# KiCad board cm0.kicad_pcb (continued)
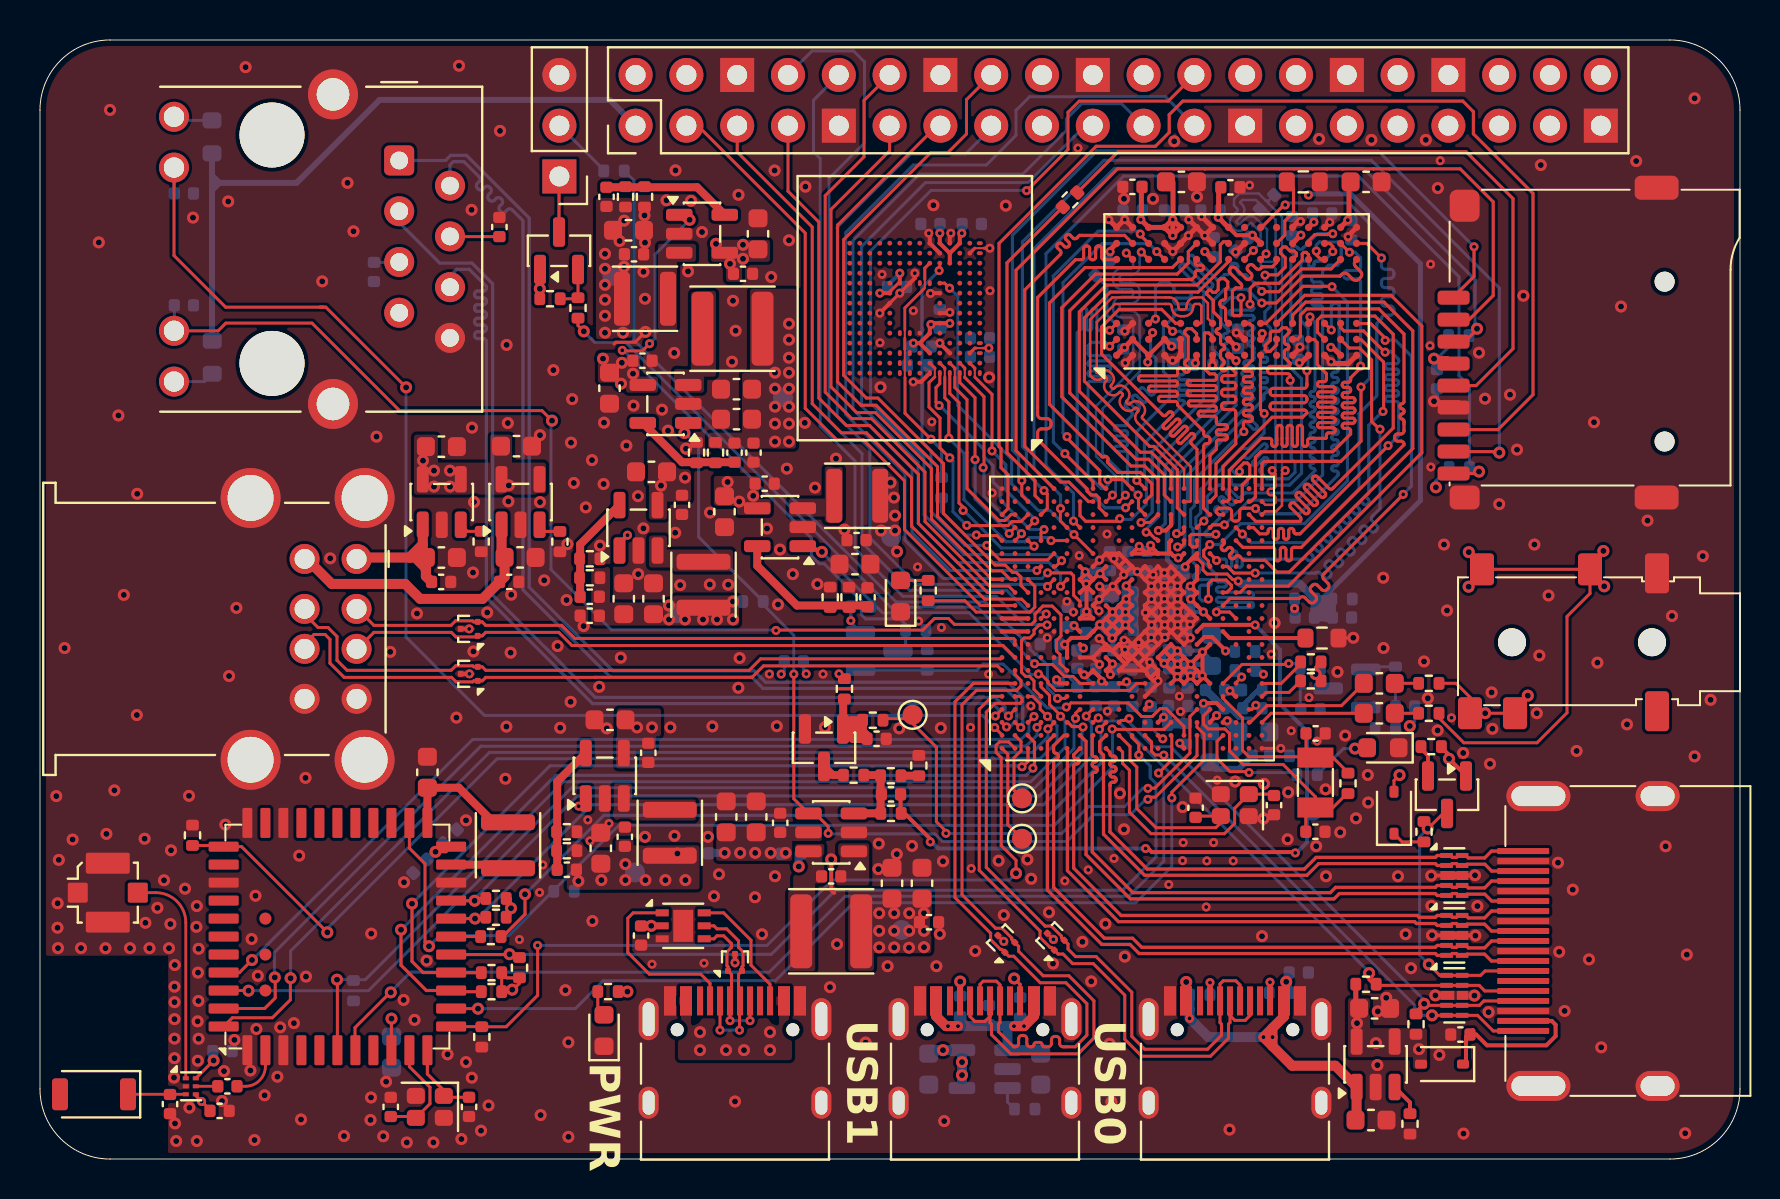
[diagram p0: board, top side]
## Routing (per net, layer and track width the routed paths; a pad name or vN(x,y) marks a point on that pad's centre or on a via; arc(x,y) is an arc through that point) (continued)
/H3/EPHY_SPD_LED: length 60.8
  Top w0.15: J8.11 8.91,41.44 9.29,41.83 13.6,41.83 17.98,37.45 25.1,37.45 v2(25.6,36.95) ; U1.F7 51,24.8 51,25.25 50.83,25.42 50.83,25.95 51.05,26.17 51.05,27.23 50.61,27.67 50.15,27.67 49.99,27.52 49.99,27.51 49.75,27.27 49.75,26.92 49.75,26.92 49.58,26.75 45.72,26.75 45.42,27.05 44.72,27.05 44.14,26.47 36.82,26.47 v1(36.8,26.45)
  Bottom w0.15: J8.11 6.72,41.46 C135.1 ; v2(25.6,36.95) 25.55,36.9 25.55,29.5 28.58,26.47 36.78,26.47 v1(36.8,26.45)
/H3/EPHY_TX+: length 55.3
  Top w0.162: v1(49.04,21.59) 49.01,21.59 U1.B3
  Bottom w0.162: J8.1 20.28,49.97 20.54,50.23 21.32,50.23 24.46,47.09 24.46,28.61 28.64,24.44 35.7,24.44 36.28,23.86 48.39,23.86 49.14,23.11 49.14,22.85 49.13,22.84 49.13,22.5 49.14,22.5 49.14,21.83 49.06,21.75 49.06,21.62 v1(49.04,21.59)
/H3/EPHY_TX-: length 55.3
  Top w0.162: U1.A3 v1(48.33,21.62)
  Bottom w0.162: v1(48.33,21.62) 48.5,21.62 48.83,21.96 48.83,22.98 48.26,23.55 36.15,23.55 35.57,24.12 28.51,24.12 24.15,28.48 24.15,46.96 23.6,47.51 arc(23.49,47.55) 23.38,47.51 23.28,47.41 arc(23.16,47.36) 23.05,47.41 22.99,47.46 arc(22.95,47.58) 22.99,47.69 23.09,47.79 arc(23.14,47.9) 23.09,48.02 23.04,48.07 arc(22.92,48.12) 22.81,48.07 22.71,47.97 arc(22.6,47.93) 22.48,47.97 22.43,48.03 arc(22.38,48.14) 22.43,48.26 22.53,48.36 arc(22.57,48.47) 22.53,48.58 22.47,48.64 arc(22.36,48.69) 22.24,48.64 22.14,48.54 arc(22.03,48.49) 21.92,48.54 21.86,48.6 arc(21.81,48.71) 21.86,48.82 21.96,48.92 arc(22.01,49.04) 21.96,49.15 21.19,49.91 20.66,49.91 20.5,49.75 J8.2
/H3/KEYADC: length 2.3
  Top w0.15: R5.2 62.45,23.35 61.3,23.35 U1.AA5
/H3/PWR_CPUFB: length 37.3
  Top w0.2: v1(44.52,15.87) 44.52,16.02 43.03,17.5 C94.1 ; v1(62.76,15.32) 62.72,15.36 55.59,15.36 55.41,15.54 v1(55.28,15.54) ; U1.T10 57.85,26.4 58.18,26.73 60.75,26.73 v1(60.75,26.73)
  Bottom w0.2: v1(62.76,15.32) 62.8,15.36 62.86,15.36 63.35,15.85 63.35,21.42 62,22.77 62,25.48 60.78,26.7 60.77,26.7 v1(60.75,26.73) ; v1(44.52,15.87) 44.58,15.87 44.91,15.54 v1(55.28,15.54)
/H3/PWR_DRAM: length 20
  Top w0.15: v1(49.92,24.27) 49.98,24.27 50,24.25 50.06,24.25 50.4,23.91 50.4,23.83 50.78,23.45 51.07,23.45 51.07,23.45 54.48,23.45 54.83,23.8 U1.M6
  Top w0.2: 38.26,30.67 U4.1 ; 38.62,30.67 38.91,30.38 v2(39.09,30.38)
  Bottom w0.15: v2(39.09,30.38) 39.13,30.35 39.13,30.33 42.12,27.34 46.46,27.34 49.56,24.24 49.9,24.24 v1(49.92,24.27)
/H3/PWR_IO: length 18.6
  Top w0.15: U1.R2 57.2,21.65 56.31,22.54 56,22.54 55.61,22.14 55.6,22.15 55.08,22.15 54.4,22.82 51.55,22.82 51.43,22.7 51.4,22.7 v1(51.32,22.62)
  Bottom w0.15: Q3.1 44.34,24.47 R36.2 46.84,24.46 47.15,24.77 48.16,24.77 50.36,22.57 51.17,22.57 51.22,22.53 51.22,22.53 v1(51.32,22.62)
/H3/PWR_KEY: length 0.7
  Top w0.2: U1.R1 57.2,20.6 v1(56.99,20.81)
  Bottom w0.2: R13.2 57.25,20.73 57.06,20.73 v1(56.99,20.81)
/H3/PWR_SYSTEM: length 45.2
  Top w0.15: U6.1 32.31,36.74 32.31,36.42 v2(32.22,36.33) ; U1.T2 57.85,20.19 55.77,18.11 55.5,18.11 55.4,18.01 v1(55.4,18) ; v1(39.41,16.3) 39.41,16.64 38.75,17.29 U7.4 37.69,18.03 v1(37.69,24.27)
  Bottom w0.15: v1(39.41,16.3) 39.44,16.27 44.75,16.27 45.13,15.89 51.34,15.89 52.68,17.23 54.52,17.23 55.29,18 v1(55.4,18) ; v1(37.69,24.27) 37.69,26.21 36.16,27.74 R19.2 32.93,31.13 32.93,35.65 32.25,36.33 v2(32.22,36.33)
/H3/PWR_VSET: length 24
  Top w0.15: R33.2 42.23,22.04 43.39,22.04 44.82,20.61 44.82,16.88 45.3,16.4 v1(45.3,16.3) ; U1.T4 57.5,22.15 57.5,20.32 55.74,18.56 55.41,18.56 v1(55.4,18.55)
  Bottom w0.15: v1(55.4,18.55) 55.39,18.56 55.15,18.56 54.23,17.64 52.43,17.64 51.08,16.29 45.31,16.29 v1(45.3,16.3)
/H3/RECOVERY: length 1.4
  Top w0.15: U1.N2 56.07,21.03 v1(56.14,21.03)
  Bottom w0.15: v1(56.14,21.03) 56.11,21.03 55.41,21.73 R3.2
/H3/RESET: length 7.8
  Top w0.15: U1.V6 60.1,24.75 62.39,24.75 v1(62.44,24.8)
  Bottom w0.15: 63.01,23.59 63.01,22.55 C32.2 ; 63.01,23.59 R8.2 62.79,24.8 v1(62.44,24.8) ; 63.01,23.59 63.05,23.55 Q1.3
/H3/SD_CLK: length 16.6
  Top w0.157: R53.1 48.35,44.85 48.35,35.35 49.75,33.95 49.75,33.2 U1.D20
/H3/SD_CMD: length 45.2
  Top w0.15: U1.F18 51.02,31.93 51.02,32.55 v1(51.03,32.55)
  Top w0.157: v2(71.85,41.55) 71.85,41.51 71.25,40.9 J6.3
  Bottom w0.157: v1(51.03,32.55) 51.03,33.22 49.7,34.55 49.7,45.55 53.72,49.57 66.18,49.57 71.75,44 71.75,41.65 v2(71.85,41.55)
  Bottom w0.2: v2(71.85,41.55) 71.85,41.51 71.55,41.2 R51.2
/H3/SD_D0: length 61.4
  Top w0.157: U1.A19 48.4,32.55 48.4,34.25 48.05,34.6 48.05,35.56 47.95,35.66 47.95,45.82 52.81,50.68 55.77,50.68 56.46,51.37 56.46,52.26 57.14,52.94 71.14,52.94 71.67,52.41 71.67,51.3 74.65,48.32 74.65,38.25 72.9,36.5 70.69,36.5 70.68,36.5
/H3/SD_D1: length 53
  Top w0.15: v1(50.2,33.45) 50.37,33.28 50.37,32.56 U1.D19
  Top w0.157: v2(72.97,35.35) 72.71,35.35 72.66,35.4 70.69,35.4 J6.8
  Bottom w0.157: v2(72.97,35.35) 72.97,43.58 66.57,49.98 53.2,49.98 49.12,45.9 49.12,35.65 49.32,35.45 49.32,34.33 v1(50.2,33.45)
/H3/SD_D2: length 43.4
  Top w0.15: v1(49.09,33.95) 49.09,33.21 U1.C20
  Top w0.157: J6.1 70.68,43.14 71.7,44.16 71.7,45.64 71.7,45.64 v1(71.7,45.65)
  Bottom w0.157: v1(71.7,45.65) 66.9,50.45 52.84,50.45 48.62,46.23 48.62,35.48 48.93,35.17 48.93,34.11 v1(49.09,33.95)
/H3/SD_D3: length 45.6
  Top w0.15: 50.7,33.53 U1.E21
  Top w0.157: 70.68,42 71.46,42 72.66,43.21 72.66,47.9 71.01,49.55 67.48,49.55 67.48,49.55 66.68,49.55 66.68,49.55 65.93,49.55 65.93,49.55 65.13,49.55 65.13,49.55 64.35,49.55 64.35,49.55 63.63,49.55 63.63,49.55 62.7,49.55 62.7,49.55 61.98,49.55 61.98,49.55 58.25,49.55 58.24,49.55 57.45,49.55 57.44,49.55 56.7,49.55 56.69,49.55 55.9,49.55 55.89,49.55 53.88,49.55 48.8,44.47 48.8,35.45 U1.E21
/H3/SD_DET: length 50.4
  Top w0.15: U1.G18 v1(51.68,31.92)
  Top w0.157: v2(71.95,34.4) 71.8,34.4 71.71,34.3 J6.9 70.68,34.34
  Bottom w0.15: v2(71.95,34.4) 71.8,34.4 71.59,34.6 R52.2
  Bottom w0.157: R52.2 71.47,38.67 70.95,39.2 70.95,44.15 65.91,49.19 54.18,49.19 50.3,45.31 50.3,34.7 51.68,33.32 v1(51.68,31.92)
/H3/SDIO_CLK: length 36.4
  Top w0.157: U1.J3 53.3,21.85 52.97,21.52 v1(52.97,21.5) ; R60.1 23.07,11.15 23.15,11.15 24.25,12.25 v2(24.25,13.25)
  Bottom w0.157: v1(52.97,21.5) 52.99,21.5 53.05,21.45 53.05,19.82 50.43,17.2 28.2,17.2 v2(24.25,13.25)
/H3/SDIO_CMD: length 43.9
  Top w0.157: v1(54.94,20.22) 54.94,20.76 54.6,21.1 U1.L2 ; v2(23.47,10.25) 23.38,10.25 23.37,10.23 U24.16
  Bottom w0.157: v1(54.94,20.22) 54.96,20.22 55.51,19.67 55.51,19.08 55.8,18.79 55.8,15.12 54.13,13.45 39.77,13.45 36.56,10.24 23.59,10.24 23.58,10.25 v2(23.47,10.25)
/H3/SDIO_D0: length 38
  Top w0.157: v1(52.31,22.16) 52.31,22.17 52.31,22.18 52.62,22.5 U1.H4 ; v2(21.75,12.03) U24.18
  Bottom w0.157: v1(52.31,22.16) 52.31,22.16 52.31,22.11 52.57,21.85 52.57,20.12 50.18,17.73 27.58,17.73 21.88,12.03 v2(21.75,12.03)
/H3/SDIO_D1: length 37.7
  Top w0.157: v1(52.15,21.62) 52.13,21.64 51.61,21.64 51.4,21.85 U1.F3 ; U24.19 20.56,12.92 v2(21.73,12.92) 21.8,12.92 21.93,13.05 22.49,13.05
  Bottom w0.157: v2(21.73,12.92) 21.8,12.99 21.8,13.1 26.87,18.17 49.97,18.17 52.1,20.3 52.1,21.59 52.13,21.62 v1(52.15,21.62)
/H3/SDIO_D2: length 43.1
  Top w0.157: U1.C2 49.4,21.18 49.72,20.86 49.72,19.64 v1(49.65,19.56) ; R56.2 20.62,8.37 U24.14 19.32,8.43 18.05,9.7 v2(18.05,11.47)
  Bottom w0.157: v2(18.05,11.47) 18.06,11.47 25.79,19.2 49.31,19.2 49.65,19.54 v1(49.65,19.56)
/H3/SDIO_D3: length 41
  Top w0.157: v1(49.1,19.63) 49.13,19.63 49.4,19.9 U1.C1 ; R55.2 20.56,9.32 U24.15 19.16,9.33 18.6,9.89 v2(18.6,12.78)
  Bottom w0.157: v2(18.6,12.78) 25.5,19.68 49.05,19.68 v1(49.1,19.63)
/H3/UBOOT: length 0.4
  Top w0.15: v1(60.08,24.12) 59.8,23.84 U1.W6
/H3/USB_D0+: length 32.2
  Top w0.151: U1.A5 48.1,23.15 47.61,23.15 46.96,22.51 46.96,14.45 50,11.41 50,11.4 50,11.09 50.5,10.59 50.58,10.59 U13.1 50.91,10.26 51.15,10.26 51.63,9.78 52.66,9.78 54.24,8.2 54.24,5.99 55.09,5.14 58.52,5.14 59.43,6.05 59.43,6.75 59.5,6.83 59.5,7.91 59.5,7.18 59.74,6.94 60.26,6.94 60.5,7.18 60.5,7.91
/H3/USB_D0-: length 32.2
  Top w0.151: U1.B5 49,23.15 49.1,23.05 49.1,22.9 49,22.8 47.75,22.8 47.31,22.36 47.31,14.6 50.25,11.66 50.26,11.66 50.57,11.66 51.07,11.16 51.07,11.08 U13.2 51.4,10.75 51.4,10.51 51.78,10.13 52.81,10.13 54.59,8.35 54.59,6.14 55.23,5.5 58.38,5.5 59.07,6.19 59.07,6.75 59,6.83 59,8.76 59.16,8.92 59.79,8.92 60,8.71 60,7.91
/H3/USB_D1+: length 34.9
  Top w0.151: 47,7.91 47,8.74 47.16,8.9 47.82,8.9 48,8.72 48,6.83 47.93,6.75 47.93,6.37 48.68,5.62 48.77,5.62 arc(48.88,5.66) 48.93,5.78 48.93,6.02 arc(48.98,6.14) 49.1,6.18 49.18,6.18 arc(49.29,6.14) 49.34,6.02 49.34,5.78 arc(49.39,5.66) 49.51,5.62 49.59,5.62 arc(49.66,5.65) 49.7,5.73 arc(49.73,5.8) 49.81,5.83 50,5.83 arc(50.07,5.8) 50.11,5.73 arc(50.14,5.65) 50.22,5.62 50.41,5.62 arc(50.52,5.66) 50.57,5.78 50.57,5.97 arc(50.62,6.09) 50.74,6.13 50.82,6.13 arc(50.93,6.09) 50.98,5.97 50.98,5.78 arc(51.03,5.66) 51.15,5.62 51.76,5.62 52.34,6.2 52.34,7.77 51.3,8.82 50.01,8.82 48.68,10.15 48.44,10.15 U15.1 48.1,10.49 48.02,10.49 47.53,10.98 47.53,11.29 47.53,11.3 45.75,13.08 45.75,22.88 46.67,23.8 48.75,23.8 U1.B6
/H3/USB_D1-: length 34.9
  Top w0.151: 46.5,7.91 46.5,7.13 46.74,6.89 47.25,6.89 47.5,7.14 47.5,7.91 47.5,6.83 47.57,6.75 47.57,6.23 48.54,5.26 51.9,5.26 52.7,6.06 52.7,7.92 51.44,9.17 50.16,9.17 48.93,10.4 48.93,10.64 U15.2 48.59,10.98 48.59,11.06 48.1,11.55 47.79,11.55 47.78,11.55 46.1,13.23 46.1,22.73 46.82,23.45 48.83,23.45 49.05,23.67 49.05,23.95 48.75,24.25 U1.B7
/H3/USB_D2+: length 37.4
  Top w0.151: 13.27,25.53 13.27,25.82 13.7,26.25 14.25,26.25 14.5,26 14.5,24.81 15.21,24.1 20.57,24.1 20.8,23.88 21.64,23.88 21.69,23.93 U14.1 22.12,23.93 22.29,24.1 27.76,24.1 27.76,24.11 28.16,24.11 28.16,24.1 35.6,24.1 36.18,24.68 47.87,24.68 U1.A7
/H3/USB_D2-: length 37.4
  Top w0.151: U1.A8 48.03,25.03 36.03,25.03 35.46,24.46 22.29,24.46 22.12,24.63 U14.2 21.69,24.63 21.64,24.68 20.78,24.68 20.56,24.46 15.35,24.46 14.85,24.96 14.85,26.15 14.4,26.6 13.9,26.6 13.27,27.23 13.27,27.53
/H3/USB_D3+: length 33.9
  Top w0.151: U1.B8 48.15,25.7 26.59,25.7 25.94,26.35 22.28,26.35 22.11,26.18 21.88,26.18 21.83,26.13 20.79,26.13 20.57,26.35 16.69,26.35 15.87,25.53
/H3/USB_D3-: length 33.9
  Top w0.151: 15.87,27.53 16.69,26.71 20.55,26.71 20.78,26.93 21.63,26.93 21.68,26.88 22.11,26.88 22.28,26.71 26.08,26.71 26.74,26.05 48.68,26.05 48.75,25.97 U1.B9
/H3/VRA1: length 0.4
  Top w0.15: U1.Y4 60.54,22.5 60.55,22.49 60.58,22.49 v1(60.79,22.71)
/H3/VRA2: length 1.3
  Top w0.2: U1.W5 59.78,23.15 v1(59.5,23.43)
  Bottom w0.4: R9.1 C29.1
/H3/VRP: length 2.5
  Top w0.2: U1.V4 58.83,22.82 58.19,22.82 v1(58.18,22.8)
  Bottom w0.4: C27.1 58.25,21.64 C28.2
  Bottom w0.5: C27.1 58.59,21.5
/H3/WIFI_32K: length 49.5
  Top w0.15: v2(19.45,10.65) 19.25,10.85 19.25,14.77 18.47,15.55 U24.24 ; U1.P3 56.2,21.5 53.82,21.5 53.8,21.52 v1(53.61,21.52)
  Bottom w0.15: v2(19.45,10.65) 19.98,11.17 23.41,11.17 28.94,16.7 50.72,16.7 53.63,19.61 53.63,21.5 v1(53.61,21.52)
/H3/WL_HOST_WAKE: length 47
  Top w0.15: U24.13 20.56,7.52 v2(21.9,7.52) ; U1.T3 57.85,21.62 58.2,21.26 58.2,19.97 56.59,18.36 v1(56.59,18.07)
  Bottom w0.15: v2(21.9,7.52) 26.77,7.52 28.16,8.92 36.78,8.92 40.67,12.82 54.78,12.82 56.59,14.63 v1(56.59,18.07)
/H3/WL_REG_ON: length 40.8
  Top w0.15: R64.1 23.31,6.62 24.88,8.19 v1(24.88,10.69) ; 22.04,6.62 20.56,6.62 U24.12 ; v2(48.8,14.3) 48.8,14.95 48.06,15.69 48.06,20.09 47.8,20.35 47.8,20.7 47.97,20.87 48.43,20.87 U1.B1
  Bottom w0.15: v2(48.8,14.3) 48.46,13.96 39.62,13.96 36.35,10.69 v1(24.88,10.69)
/H3/X24MI: length 10.4
  Top w0.15: U1.K2 54.5,20.65 54.5,19.95 54.84,19.61 54.84,17.54 55.8,16.58 58.79,16.58 59.04,16.83 Y2.3 57.84,17.16 C34.1
  Top w0.2: 58.98,17.1 Y2.3
/H3/X24MO: length 12.4
  Top w0.15: U1.K1 54.13,20.37 54.13,19.8 54.47,19.46 54.47,17.36 55.55,16.28 59.22,16.28 59.73,16.79 59.73,17.55 Y2.1 61.63,18.26 C41.1
/H3/X32KI: length 9.6
  Top w0.15: U1.V5 59.15,23.05 60.12,22.08 60.12,20.46 60.45,20.13 63.73,20.13 Y1.2 64.65,20.09 65.4,19.34 R14.1 ; C33.1 63.3,20.56
/H3/X32KO: length 11.5
  Top w0.15: C40.1 63.29,17.11 Y1.1 63.77,18.13 62.16,19.74 60.16,19.74 59.47,20.42 59.47,21.29 59.24,21.52 58.41,21.52 58.17,21.76 58.17,22.17 U1.U4 ; 64.65,17.59 65.39,18.33
/H3/~{BT_CTS}: length 49.5
  Top w0.15: U1.E3 50.7,21.83 v1(50.4,21.53) ; U24.44 9.62,7.07 11.62,7.07 12.52,7.97 12.52,9.04 v2(12.53,9.05)
  Bottom w0.15: v1(50.4,21.53) 50.4,21.13 49.62,20.35 22.47,20.35 12.53,10.41 v2(12.53,9.05)
/H3/~{BT_RST}: length 52.1
  Top w0.15: U1.C5 49.63,23.15 50.01,22.77 50.01,22.51 50.37,22.15 v1(50.38,22.15) ; v2(14.37,11.34) 10.08,15.63 U24.34 9.12,15.69 R62.1
  Bottom w0.15: v1(50.38,22.15) 50.38,22.15 50.85,21.67 50.85,20.87 50.01,20.03 22.86,20.03 14.37,11.54 v2(14.37,11.34)
/H3/~{BT_RTS}: length 46.5
  Top w0.15: v1(49.7,22.15) 49.4,21.85 U1.C3 ; U24.41 9.19,9.32 9.97,9.32 v2(10.6,9.96)
  Bottom w0.15: v1(49.7,22.15) 49.45,21.9 49.45,21.4 49.05,21 21.64,21 v2(10.6,9.96)
/H3/~{eMMC_RST}: length 17.2
  Top w0.15: U1.H16 v1(51.7,31.25)
  Top w0.151: v1(45.48,43.58) 45.23,43.83 U22.K5
  Bottom w0.15: v1(51.7,31.25) 50.5,32.45 49.92,32.45 48.58,33.79 48.58,35.02 45.89,37.71 45.89,43.17 v1(45.48,43.58)
/USB/PWR_CC1: length 9.2
  Top w0.15: 33.5,7.91 33.5,8.79 33.04,9.25 30.47,9.25 29.39,10.33 29.39,12.05 29.66,12.32 U17.1
/USB/PWR_CC2: length 6.3
  Top w0.15: 36.5,7.91 36.5,8.75 35.55,9.7 35.55,10.95 34.18,12.32 U17.6
/USB/PWR_D+: length 7.6
  Top w0.15: v1(34.5,6.92) 34.5,7.91 ; 35.5,7.91 v1(35.5,6.92)
  Top w0.151: 34.5,7.91 34.57,7.99 34.57,9.24 U18.1 34.4,9.62 34.35,9.67 34.35,10.37 34.57,10.6 34.57,10.78 34.18,11.17 33.85,11.17 33.7,11.02 U17.4
  Bottom w0.15: v1(35.5,6.92) v1(34.5,6.92)
/USB/PWR_D-: length 9.2
  Top w0.15: 34,7.91 v1(34,6.45) ; 35,7.91 34.97,7.89 v1(34.97,6.45)
  Top w0.151: 35,7.91 34.93,7.99 34.93,9.24 U18.2 35.1,9.62 35.15,9.67 35.15,10.37 34.93,10.6 34.93,10.92 34.33,11.52 33.85,11.52 33.7,11.67 U17.5
  Bottom w0.15: v1(34,6.45) v1(34.97,6.45)
/USB/USB_VBUS0: length 19.6
  Top w0.15: 57.3,7.91 57.31,7.92 v2(57.31,8.86) ; v2(62.31,8.87) 62.31,8.02 62.2,7.91
  Top w0.5: 61.63,5.65 62.6,4.67 64.76,4.67 U9.1 65.83,2 C102.1 ; 61.63,5.65 v1(61.63,6.1) 61.63,6.55 ; 61.63,5.65 v1(61.17,6.1) 61.63,6.55 ; 61.63,6.55 62.2,7.13 62.2,7.91
  Bottom w0.15: v2(62.31,8.87) 62.52,8.66 62.52,8.22
  Bottom w0.5: v1(61.63,6.1) v1(61.17,6.1) 58.42,6.1 v1(57.48,7.04) R38.1 57.31,8.39 v2(57.31,8.86)
/USB/USB_VBUS1: length 10.8
  Top w0.5: 49.7,7.91 49.7,7.15 v1(49.2,6.65) v1(48.7,6.65) ; 44.8,7.91 44.8,7.15 45.3,6.65 v1(45.4,6.65) v1(45.9,6.65)
  Bottom w0.5: v1(48.7,6.65) 48.35,6.65 ; 48.35,6.65 48.38,6.62 U12.1 49.86,5.45 C111.1 ; 48.35,6.65 v1(45.9,6.65) ; 45.39,6.65 45.89,6.65 ; 48.71,6.65 49.21,6.65
/USB/USB_VBUS2: length 8.1
  Top w0.5: U10.1 19.14,30.76 ; 19.14,30.76 18.5,30.12 18.5,30.1 ; 19.14,30.76 19.14,30.26 C105.1 ; 18.76,30.1 18.5,30.1 ; 18.76,30.1 C105.1 ; 18.76,30.1 19.29,29.56 19.29,29.43 ; 18.5,30.1 16.11,30.1 ; 15.94,30.1 15.87,30.03 ; C105.1 19.29,29.43 ; 19.29,29.43 19.29,29.16 C104.2
/USB/USB_VBUS3: length 13.8
  Top w0.5: 13.34,30.03 14.59,28.78 18.26,28.78 19.01,28.03 22.13,28.03 23.23,29.13 C108.1 23.08,30.26 U11.1
VREF: length 58.3
  Top w0.15: 59.63,29 59.95,29 ; 59.63,29 59.83,29 v1(59.91,28.92) ; 59.63,29 59.36,29.27 58.35,29.27 58.15,29.47 58.15,29.77 57.85,30.07 U1.T16
  Top w0.157: 59.7,39.95 U2.H1
  Top w0.2: 57.85,30.07 57.82,30.05 57.59,30.05 ; v1(57.26,29.63) 57.26,29.71 57.59,30.05 ; 57.59,30.05 57.85,30.3 U1.T16
  Top w0.25: U2.H1 59.53,40.22 v1(59.8,39.95) ; v1(63.04,46.23) 62.63,45.82 U2.M8
  In2.Cu w0.3: v1(63.42,48.24) 63.42,48.01 62.55,47.14 62.55,46.72 v1(63.04,46.23)
  Bottom w0.157: 56.37,29.98 56.37,30.04 ; 56.39,31.5 56.39,31.54 56.64,31.79 56.64,34.55 59.8,37.72 v1(59.8,39.95)
  Bottom w0.25: R15.1 64.1,28.03 69.02,32.95 69.02,44.81 65.53,48.3 63.47,48.3 v1(63.42,48.24) ; 56.37,29.98 56.72,29.63 57.26,29.63 v1(57.26,29.63) ; 56.37,30.04 56.37,31.48
  Bottom w0.4: C44.1 C43.2 ; C44.1 64.62,27.15 R15.1 ; C44.1 64.59,27.13 R16.2 ; C44.1 64.3,27.1 63.98,27.42 ; C43.2 63.72,28 R15.1 ; C43.2 63.72,27.15 63.98,27.42 ; R15.1 R16.2 ; R15.1 62.98,28.8 60.03,28.8 v1(59.91,28.92) ; 63.98,27.42 R16.2
Net-(AE1-A): length 2.9
  Top w0.14: U23.3 AE1.1
Net-(C31-Pad2): length 2.1
  Bottom w0.15: R11.1 67.77,21.55 R12.1
Net-(C137-Pad1): length 1.2
  Top w0.15: C137.1 R73.2
Net-(C138-Pad1): length 1.2
  Top w0.15: R74.2 C138.1
Net-(D1-K): length 1.7
  Top w0.15: D1.1 68.11,15.87 R47.1
Net-(D2-K): length 8.9
  Top w0.2: D2.1 71.3,4.9 71.3,6.11 71.64,6.45 ; J5.18 75.59,6.91 75.78,6.72 75.78,6.15 75.32,5.69 72.35,5.69 71.81,6.23 C114.2
Net-(D3-A): length 3.1
  Top w0.15: D3.2 66.32,20.54 v2(65.75,20.54)
  Bottom w0.15: v2(65.75,20.54) 65.17,20.54 R67.1
Net-(D4-A): length 1.4
  Top w0.15: R68.1 44.41,28.96 D4.2
Net-(D5-A): length 1.3
  Top w0.15: D5.2 27.89,7.53 R69.1
Net-(J2-CC1): length 1.5
  Top w0.15: 58.5,7.91 v1(58.5,8.83)
  Bottom w0.15: R38.2 v1(58.5,8.83)
Net-(J2-CC2): length 1.6
  Top w0.15: 61.5,7.91 v1(61.5,8.85)
  Bottom w0.15: 61.5,8.22 v1(61.5,8.85)
Net-(J3-CC1): length 0.7
  Bottom w0.15: R43.2 v2(46.01,8.88)
Net-(J3-CC2): length 2.4
  Top w0.15: v2(48.71,9.04) 49,8.74 49,7.91
  Bottom w0.15: v2(48.71,9.04) 49.01,8.73 49.01,7.97
Net-(J6-CLK): length 34.9
  Top w0.157: 70.68,38.7 71.81,38.7 73.65,40.55 73.65,48.06 71.3,50.41 53.91,50.41 R53.2
Net-(J7-In): length 11
  Top w0.14: U23.1 7.29,11.83 arc(6.85,12.89) 5.79,13.33 J7.1
Net-(J8-Pad9): length 2
  Bottom w0.15: J8.9 6.88,51.97 R66.2
Net-(J8-Pad12): length 2.1
  Bottom w0.15: R65.2 8.22,38.9 J8.12
Net-(J8-RCT): length 1.3
  Bottom w0.15: J8.5 17.94,44.87 C134.2
Net-(J8-TCT): length 2.5
  Top w0.15: C133.2 20.51,46.16 J8.4
Net-(J10-Pin_1): length 2.8
  Top w0.162: Q5.3 25.95,49.14
Net-(J10-Pin_2): length 3.2
  Bottom w0.15: J10.2 28.19,49.49 R72.2
Net-(J11-Pad3): length 25.4
  Top w0.15: J11.3 72.1,29.71 v2(71.44,30.37) ; J11.3 72.1,29.31 v2(71.43,28.64) ; J11.3 J11.3 ; v2(78.17,30.43) 77.5,29.76 J11.3 ; J11.3 77.5,29.37 v2(78.21,28.66) ; J11.3 77.5,28.3 76.35,27.15 76.35,22.33 74.85,20.83 71.19,20.83 69.95,22.07 R73.1
Net-(J11-Pad4): length 6
  Top w0.15: R74.1 70.81,23.8 71.5,23.11 J11.4 ; J11.4 J11.4 73.75,22.55 v2(74.39,23.19) ; J11.4 71.5,22.3
  vias: v2(72.26,22.31)
Net-(Q1-B): length 1.5
  Bottom w0.15: R11.2 66.42,24.63 Q1.1
Net-(Q2-D): length 1.1
  Top w0.4: Q2.3 39.63,19.21 R30.2
Net-(Q2-G): length 8.8
  Top w0.4: Q2.1 40.16,21.53 40.16,22.99 ; Q2.1 40.64,21.03 ; Q2.1 40.59,21.96 ; Q2.1 41.05,21.52 ; 41.13,21.6 R33.1 40.59,21.96 ; 41.13,21.6 41.13,21.25 40.73,21.25 40.95,21.03 C100.1 ; 41.13,21.6 41.05,21.52 ; 40.59,21.96 41.35,21.2 C100.1 ; C100.1 40.64,21.03 ; 40.64,21.03 41.05,21.44 41.05,21.52
Net-(Q3-D): length 31.8
  Top w0.15: v1(29.11,40.47) 29.14,40.44 30.12,40.44 v1(30.48,40.8)
  Top w0.2: U8.1 32.21,47 v2(32.48,47)
  Bottom w0.15: v1(30.48,40.8) 30.75,41.07 30.75,45.27 v2(32.48,47) ; v1(29.11,40.47) 29.11,40.43 29.12,40.42 29.22,40.42 38.57,31.07 38.57,30.19 38.97,29.79 39.21,29.79 41.06,27.94 41.06,27.25 41.28,27.03 43,27.03 43.28,26.75 R37.1 43.28,25.51 43.36,25.43 43.37,25.43 43.37,25.42 Q3.3
Net-(Q4-S): length 1.6
  Top w0.2: R46.2 69.05,20.54 69.4,20.19 Q4.2
Net-(Q5-S): length 2.3
  Top w0.15: Q5.2 R71.2 26.85,43.05 R70.2
Net-(R29-Pad2): length 0.9
  Top w0.4: R32.2 R29.2
Net-(U1A-SZQ): length 4.3
  Top w0.2: U1.V10 59.48,26.07 R6.2
Net-(U1B-VDD-EFUSE): length 0.4
  Top w0.2: U1.G10 52,26.4 v1(51.7,26.69)
Net-(U1D-EPHY_RTX): length 0.6
  Top w0.2: v1(50.83,23.98) 50.86,23.95 50.86,23.89 50.95,23.8 U1.F6
Net-(U1G-GND-CPUFB): length 2.4
  Top w0.2: v1(59.28,25.42) 59.28,25.45 58.6,26.12 58.22,26.12 U1.T9
  Bottom w0.15: v1(59.28,25.42) 59.72,25.42 R7.1
Net-(U1G-JTAG-SEL0): length 4.9
  Top w0.15: U1.A1 48.39,20.26 48.39,16.73 TP1.1
Net-(U1G-JTAG-SEL1): length 3.6
  Top w0.15: TP2.1 48.7,18.45 48.7,20.08 49.05,20.43 49.05,20.9 U1.B2
Net-(U1G-NMI): length 2.4
  Top w0.15: U1.AA6 62.06,23.8 63.03,24.77 R4.2
Net-(U2-ZQ): length 3.6
  Top w0.157: R17.1 62.68,48.56 62.68,47.38 62.24,46.94 62.24,46.23 U2.L8
Net-(U3-FB): length 6.4
  Top w0.4: C65.2 25.86,18.88 U3.5
Net-(U4-FB): length 7.3
  Top w0.4: 41.38,27.7 37.85,27.7 35.86,29.69 U4.5
Net-(U5-FB): length 5.4
  Top w0.4: C77.2 27.01,30.76 28.97,32.72
Net-(U6-FB): length 5.4
  Top w0.4: C83.2 32.11,34.87 U6.5
Net-(U7-FB): length 4.1
  Top w0.4: R30.1 42.02,19.21 42.03,19.2 42.03,17.31 R28.2 40.7,17.3 U7.3
Net-(U8-FB): length 6.5
  Top w0.4: U8.5 32.86,48.63 C97.2
Net-(U9-ISET): length 1.7
  Top w0.2: U9.3 68.5,2.83 R40.1
Net-(U10-ISET): length 1.2
  Top w0.15: R41.1 21.37,31.41 U10.3
Net-(U11-ISET): length 1.2
  Top w0.15: 25.93,31.41 25.24,31.41 24.91,31.74
Net-(U12-ISET): length 1.2
  Bottom w0.15: U12.3 48.38,2.85 R45.1
Net-(U22-CLK): length 12.1
  Top w0.1: 44.2,43.55 44.24,43.59 44.24,44.02 ; 43.25,39.1 43.24,39.11 43.24,40.52 ; 43.24,41.49 43.24,41.06
  Top w0.14: 43.24,41.49 43.24,42.59 44.2,43.55
  Top w0.15: v1(44.55,36.02) 43.25,37.32 43.25,39.1 ; U22.M6 44.24,44.58 44.24,44.02 ; 43.24,41.06 43.24,40.52
  Bottom w0.157: R54.2 45.08,35.49 44.6,35.97 44.6,36.07 v1(44.55,36.02)
Net-(U22-VDDI): length 1.1
  Top w0.1: 46.8,40.58 47.14,40.58
  Top w0.124: 47.14,40.58 v1(47.44,40.58)
  Top w0.15: U22.C2 46.74,40.58 46.8,40.58
Net-(U23-ANT): length 1.1
  Top w0.14: U23.5 C127.2
Net-(U24-SDIO_DATA_CLK): length 1.5
  Top w0.15: U24.17 20.56,11.13 R60.2
Net-(U24-VIN_LDO): length 6.5
  Top w0.4: L7.2 22.68,16.85 20.95,18.58 C130.1 U24.23
Net-(U24-VIN_LDO_OUT): length 3.8
  Top w0.4: 24.31,14.73 20.56,14.73 U24.21
Net-(U24-WL_BT_ANT): length 2.8
  Top w0.14: C127.1 10.27,3.64 arc(10.98,3.93) 11.27,4.64 U24.2
Net-(U24-XTAL_IN): length 5.4
  Top w0.15: C132.1 18.72,2.13 Y3.3 19.5,2.77 19.5,3.59 18.47,4.62 U24.10
Net-(U24-XTAL_OUT): length 4.5
  Top w0.15: C131.1 20.26,3.09 Y3.1 20.19,3.39 ; U24.11 19.37,5.21
  Top w0.157: Y3.1 20.19,3.43 19.37,4.25 U24.11
  Top w0.2: 19.38,5.85 19.37,5.84 ; 21.38,3.16 C131.1

## Copper pours and planes (outline as drawn; the poured copper is in the pictures)
+1V1_CPUX on Top: 40.41,9.42 41.7,9.42 41.7,10.3 44.56,10.3 44.6,13.5 40.41,13.5
+1V1_CPUX on In2.Cu: 53.18,18.8 53.9,18.8 53.9,21.75 53.19,21.75 53.21,25.65 58.4,25.65 58.41,11.15 44.6,11.15 44.6,10.1 41.55,10.1 41.55,13.8 53.15,13.8
+1V2_SYSTEM on Top: 33.4,35.55 33.4,36.35 35.1,36.35 35.1,39.35 35.5,39.35 35.5,43.55 37.83,43.55 37.8,35.55
+1V2_SYSTEM on In2.Cu: 56.4,30.25 56.4,29.25 57.4,29.25 57.4,27.5 58.4,26.75 58.38,25.65 38.99,25.65 38.06,26.75 36.2,26.74 36.3,46 39.05,46 39.01,30.89 41.79,28.05 53.95,28.05 53.95,30.25
+1V5 on Top: 40.04,28.29 40.04,29.05 41.04,29.05 41.04,31.55 41.54,31.55 41.54,34.65 42.94,34.65 42.94,28.26
+1V5 on In2.Cu: 67.9,46.5 67.9,41.75 69.4,40.25 69.4,32.77 64.4,27.57 60.9,27.57 60.9,26.75 58.4,26.75 57.4,27.5 57.4,29.25 56.4,29.25 56.4,30.25 54.45,30.25 41.89,30.35 41.78,36.18 50.1,36.17 50.15,44.2 54.3,48.5 65.9,48.5
+3V3_AVCC on Top: 31.65,28.2 31.65,27.85 28.5,27.85 28.5,29.63 27.56,29.63 27.56,26.7 34.95,26.7 34.95,28.2
+3V3_AVCC on In2.Cu: 34.95,26.75 34.95,28.15 31.2,28.15 31.2,26.75
+3V3_IO on Top: 27.8,41.02 29.6,41.02 29.6,48.1 27.8,48.1
+3V3_IO on In2.Cu: 67.9,46.5 65.9,48.5 54.3,48.5 50.15,44.2 50.1,36.17 41.78,36.18 41.78,30.26 53.95,30.25 53.95,28.05 41.79,28.05 39.01,30.89 39.05,46 27.77,46.05 27.77,52.75 33.7,52.75 33.7,55.5 67.9,55.55
+3V3_IO on In2.Cu: 24.87,41.34 27.52,41.33 27.52,40.97 29.67,40.96 29.7,46.02 27.72,48.77 24.87,48.78
+3V3_IO on In2.Cu: 82.14,53 82.19,2 69.69,2 69.69,7.1 65.14,7.1 63.99,5.85 37.74,5.9 37.74,13.8 37.79,26.75 38.06,26.75 38.98,25.65 53.2,25.65 53.18,21.75 53.89,21.75 53.89,18.8 53.17,18.8 53.14,13.8 41.54,13.8 41.54,10.1 44.59,10.1 44.59,11.15 58.41,11.15 58.39,26.75 60.89,26.75 60.89,27.57 64.39,27.57 69.39,32.77 69.39,40.25 67.89,41.75 67.89,53.02
+3V3_IO on In2.Cu: 46,40.35 46,46.65 41.5,46.65 41.5,40.35
+3V3_WIFI on Top: 32.97,15.7 29.68,15.7 29.68,16.02 28.78,16.02 28.78,15.45 27.38,15.45 27.38,15.9 26.34,15.9 26.34,13.47 32.97,13.5
+3V3_WIFI on In2.Cu: 28.95,2.05 28.95,13.15 33.1,13.15 33.1,16.14 4.18,16.12 4.18,2.02
+5V on Top: 19.9,34.85 22.5,34.85 22.5,36.25 23.6,36.25 23.6,34.85 25.3,34.85 25.3,33.25 18.7,33.25 18.7,36.25 19.9,36.25
+5V on Top: 36.54,32.23 34.84,32.23 34.84,32.68 33.69,32.68 33.69,34.18 35.94,34.18 35.94,33.03 36.54,33.03
+5V on Top: 39.21,16.72 33.81,16.72 33.81,14.92 37.61,14.92 37.61,15.91 39.21,15.91
+5V on Top: 31.9,9.25 31.9,4.95 37.6,4.95 37.6,9.25
+5V on Top: 30.9,38.35 29.3,38.35 29.3,38.85 27.9,38.85 27.9,40.35 30,40.35 30,39.15 30.9,39.15
+5V on Top: 29.8,19.55 28.8,19.55 28.8,21.15 28.85,21.15 28.85,22.55 31.05,22.55 31.05,21.15 30.8,21.15 30.8,20.44 29.8,20.44
+5V on Top: 30.95,36.05 32.55,34.67 32.55,32.9 31.35,32.9 31.35,32 30.45,32 30.45,33.7 30.35,33.7 30.35,36.05
+5V on Top: 33.55,46 36.5,46 36.5,44.9 35.1,44.9 35.1,43.9 34.3,43.9 34.3,44.9 33.55,44.9
+5V on Top: 68.65,4.5 69.35,4.5 69.35,6.55 66.5,6.55 66.5,8.05 65.4,8.05 65.4,5.1 68.65,5.1
